# Altium PCB UAI.PcbDoc (part 2 of 2)
Units mm, origin at the board's own origin, x right, y up, seen from the top; angles counter-clockwise.
Board outline 85 x 82.2 mm, 2 copper layers (Top Layer, Bottom Layer); 136 components, 86 nets, 400 pads, 389 vias.
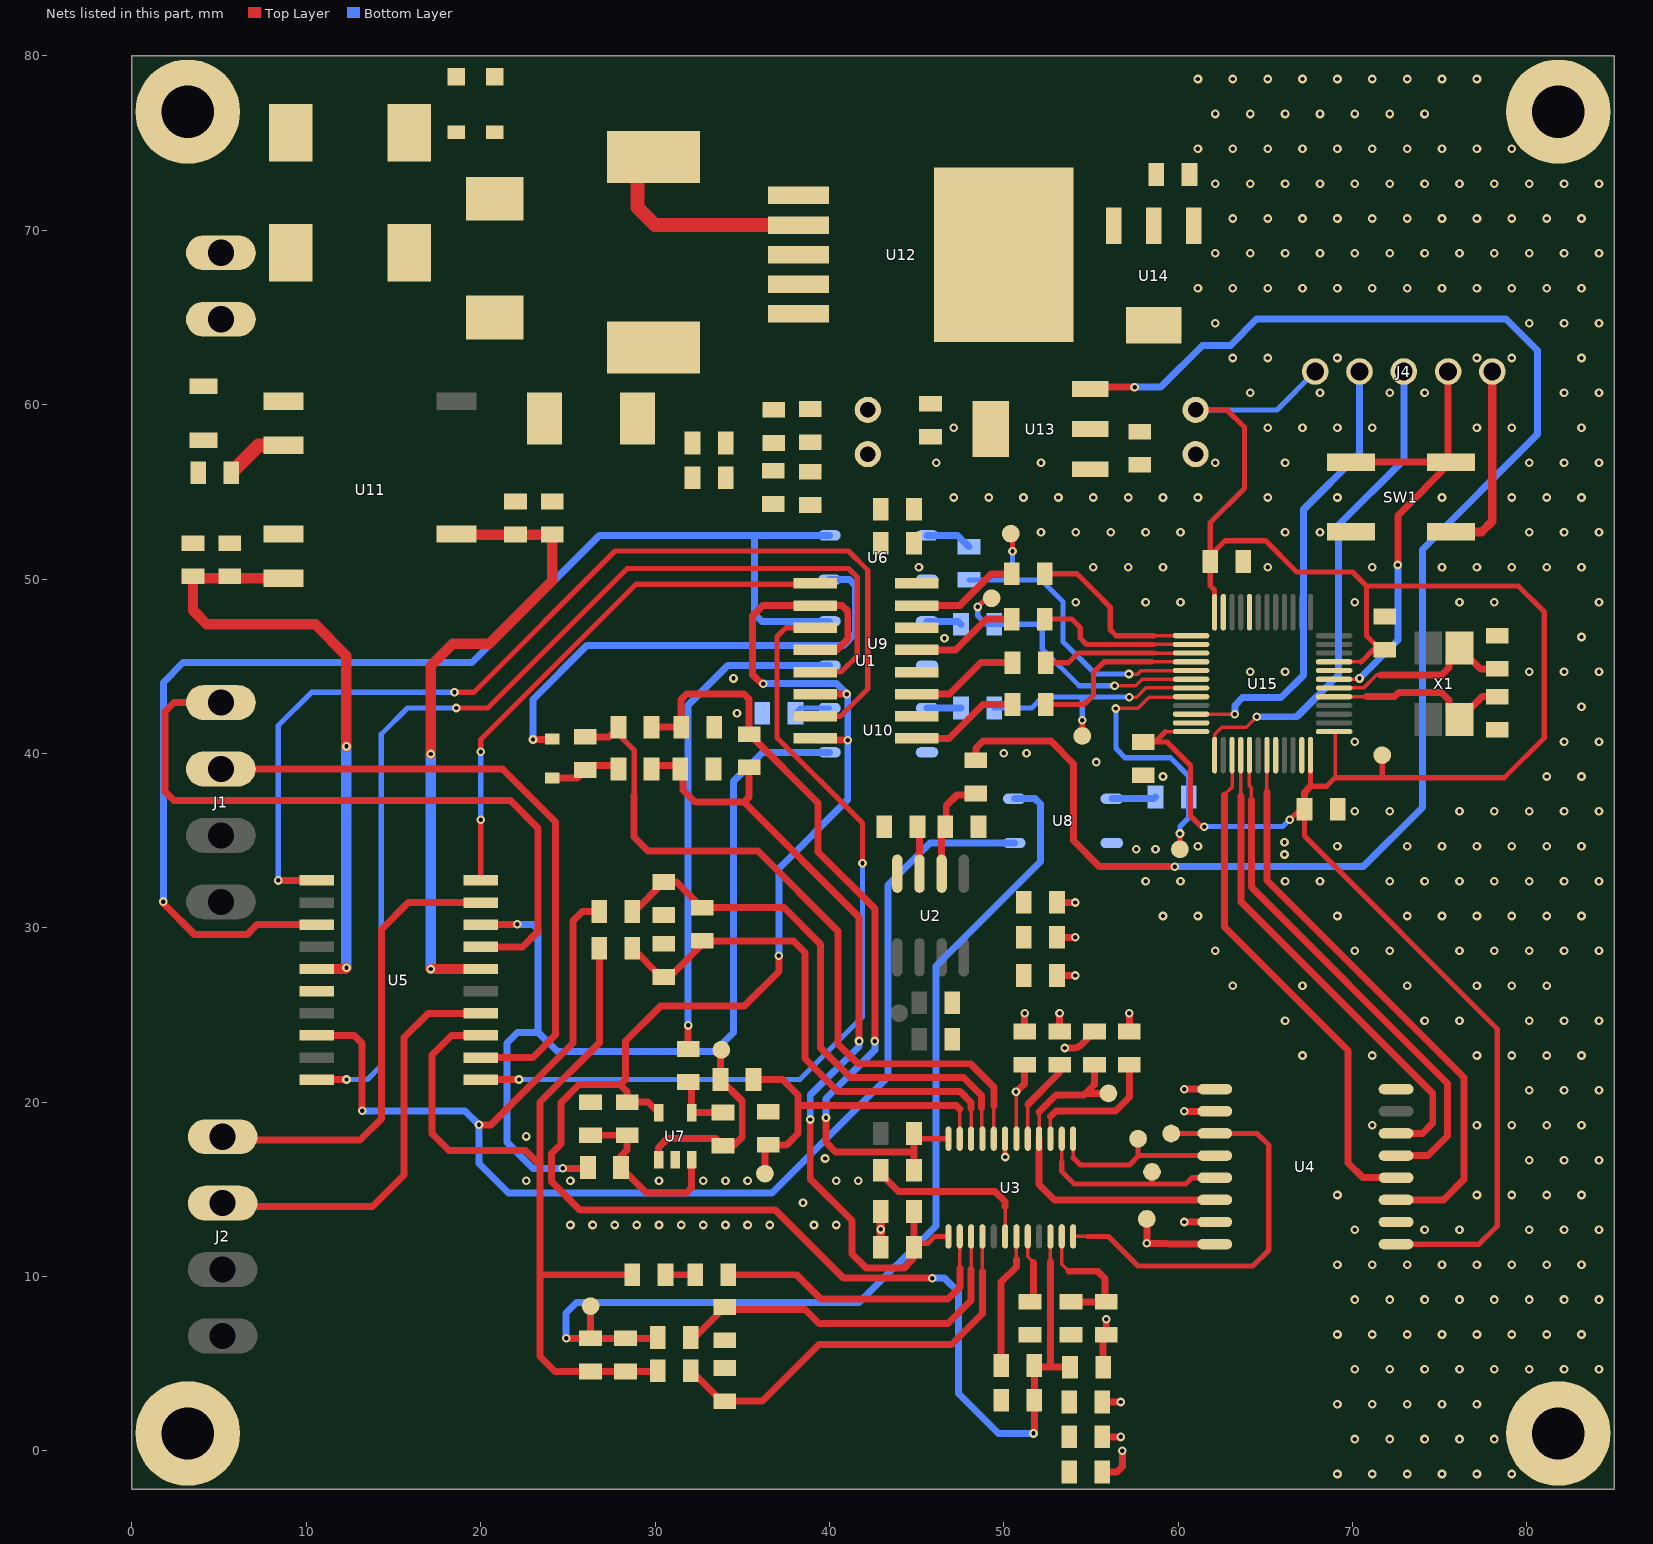
[diagram p2: the nets of this part, all layers, seen from the top]

## Via types
v1: diameter 0.5, hole 0.25, Top Layer to Bottom Layer, 313 vias
v2: diameter 0.5, hole 0.25, Top Layer to Bottom Layer, tented both sides, 76 vias

## Nets (pads, with @x,y where several pads share a name; then routed paths per layer and width w, separated by ;. In a path a pad name is that pad's centre, name@x,y a point inside that pad or via, vN(x,y) a via of type N, cw(c..) or ccw(c..) an arc to the next point about the centre after c; other vN are vias at no path point) (continued)
3A: J1.3 U5.12 | length 37.5
  Top Layer w0.4: J1.3@5.1,39.11 21.262,39.11 24.3,36.072 24.3,23.861 22.994,22.555 U5.12@20,22.555
3B: J2.3 U5.14 | length 24.2
  Top Layer w0.4: J2.3@5.2,14.205 5.395,14.01 13.79,14.01 15.6,15.82 15.6,23.7 16.995,25.095 U5.14@20,25.095 ; U5.14@20.047,25.047 U5.14@20.095,25.095
4A: J1.4 U5.17 | length 39.9
  Top Layer w0.4: J1.4@5.1,42.92 2.408,42.92 1.9,42.412 1.9,37.8 2.4,37.3 21.7,37.3 23.3,35.7 23.3,29.8 22.405,28.905 U5.17@20,28.905
4B: J2.4 U5.19 | length 26.9
  Top Layer w0.4: J2.4@5.2,18.015 5.395,17.82 13.075,17.82 14.3,19.045 14.3,29.9 15.845,31.445 U5.19@20,31.445
+3V3: C30.2 C31.2 C34.2 C35.2 C36.2 C37.2 J4.5 J_3V3.2 TP7.1 U4.1 U13.2 U13.4 U14.2 U14.4 U15.1 U15.9 U15.24 U15.36 U15.48 | length 130.1
  Top Layer w0.2: 59.275,41.25 U15.36@60.74,41.25 ; U15.1@68.94,41.25 69,41.19 69,38.6 ; U15.9@68.94,45.25 70.5,45.25
  Top Layer w0.3: C37.2@58,40.65 58.675,40.65 ; 59.275,41.25 58.675,40.65 ; J_3V3.2@61,59.7 62.8,59.7 63.8,58.7 63.8,55.2 61.84,53.24 C36.2@61.84,51.34 ; v2(61.5,35.8) 61.3,35.8 60.7,36.4 60.7,39.3 59.35,40.65 58.675,40.65 ; U15.24@62.09,48.1 62.09,49.365 61.84,49.615 C36.2@61.84,51 C36.2@61.84,51.34 ; v2(66.4,36.2) 67,36.8 67.24,36.8 67.24,35.26 78.3,24.2 78.3,12.9 77.255,11.855 U4.1@72.5,11.855 ; U15.48@67.59,39.9 67.59,38.115 68.515,38.115 69,38.6 71.6,38.6 ; 70.5,45.25 71.2,45.95 71.6,45.95 70.8,46.75 70.8,49.6 ; TP7.1@71.7,39.9 71.7,38.7 71.6,38.6 ; C36.2@61.84,51.34 62.7,52.2 65,52.2 66.8,50.4 70,50.4 70.8,49.6 ; 70.8,49.6 79.5,49.6 81,48.1 81,40.9 78.7,38.6 71.6,38.6
  Top Layer w0.4: C34.2@67.24,36.8 67.24,37.765 67.59,38.115
  Bottom Layer w0.3: J_3V3.2@61,59.7 65.66,59.7 J4.5@67.86,61.9 ; v2(61.5,35.8) 66,35.8 v2(66.4,36.2)
+3V3_ISO: C6.2 L2.2 R11.2 R12.2 TP6.1 U3.6 U4.16 | length 16
  Top Layer w0.2: v2(50.7,20.6) 50.7,17.925 U3.6@50.725,17.9 ; 50.725,19.3 v2@50.725,20.6
  Top Layer w0.4: v2@50.725,20.6 51.2,21.075 C6.2@51.2,22.15 ; v2(53.5,23.1) 54,23.1 ccw(c54,23.704) 54.27,23.164 ccw(c54,23.704) 54.427,23.277 R11.2@55.2,24.05 ; L2.2@55.7,4.8 55.7,6.228 cw(c56.297,6.228) R12.2@55.875,6.65 v2(55.875,7.54) ; TP6.1@58.2,13.3 v2(58.2,11.9) 59.4,11.9 59.45,11.85 62.095,11.85 U4.16@62.1,11.855
  Bottom Layer w0.4: v2(55.875,7.54) cw(c55.96,7.54) v2@55.9,7.6
+3V3AVDD: C10.2 C11.2 L2.1 R29.2 U1.10 U1.12 U1.14 U1.16 U3.22 U7.5 | length 115.5
  Top Layer w0.2: 52.675,10.85 U3.22@52.675,12.3
  Top Layer w0.4: U7.5@30.2,19.4 29.6,20 R29.2@28.4,20 28.4,20.6 28,21 ; v2(36.2,44) 36.1,44 35.6,44.5 35.6,47.9 36.175,48.475 U1.10@39.192,48.475 40.725,48.475 41.05,48.15 41.05,46.55 40.435,45.935 U1.12@39.192,45.935 ; v2(37.1,28.4) 37.1,27.5 35.1,25.5 30.3,25.5 28.3,23.5 28.3,21.3 28,21 ; U1.16@39.192,40.855 39.287,40.76 v2(41.05,40.76) ; U1.14@39.192,43.395 40.995,43.395 v2(41,43.4) ; v2(45.9,9.9) 40.8,9.9 36.9,13.8 25.7,13.8 24.05,15.45 24.05,17.05 24.6,17.6 24.6,19.966 25.634,21 28,21 ; v2(51.7,1) 51.75,1.05 C10.2@51.75,2.9 C11.2@51.75,4.9 51.85,4.8 52.825,4.8 ; 52.675,10.85 52.675,4.95 52.825,4.8 ; L2.1@53.8,4.8 52.825,4.8
  Bottom Layer w0.4: v2(36.2,44) 40.4,44 v2(41,43.4) 41.05,43.35 v2(41.05,40.76) 41.05,37.35 37.1,33.4 v2(37.1,28.4) ; v2(45.9,9.9) 46.6,9.9 47.4,9.1 47.4,3.3 49.7,1 v2(51.7,1)
+5V: C26.2 C27.2 C28.1 C29.2 J_5V.2 L1.2 L4.2 U12.4 U13.3 U14.3 | length 90.4
  Top Layer w0.4: L1.2@48.4,39.6 48.4,40.3 48.8,40.7 52.7,40.7 54,39.4 54,35 55.5,33.5 v2(59.8,33.5) ; U13.3@54.95,60.9 55.05,61 v2(57.5,61)
  Bottom Layer w0.4: v2(57.5,61) 59,61 61.4,63.4 63,63.4 64.5,64.9 78.8,64.9 80.6,63.1 80.6,58.3 74,51.7 74,36.9 70.6,33.5 v2(59.8,33.5)
+5VAVDD: C2.2 L1.1 U2.2 | length 6
  Top Layer w0.4: U2.2@46.435,33.1 46.435,35.585 C2.2@46.65,35.8 46.7,35.85 46.7,37 47.3,37.6 L1.1@48.4,37.6
+15V: C25.2 R40.2 U5.16 U11.7 | length 37.4
  Top Layer w0.6: v2(17.135,27.635) U5.16@20,27.635 ; v2(17.135,39.965) 17.135,45.035 18.4,46.3 20.5,46.3 24.1,49.9 R40.2@24.1,52.55 C25.2@22,52.55 18.64,52.55 U11.7@18.61,52.58
  Bottom Layer w0.6: v2(17.135,27.635) v2(17.135,39.965)
+24V: C21.1 C22.1 C23.1 D2.1 D3.1 L3.1 U12.1
-15V: C24.2 R39.2 U5.5 U11.5 | length 36.7
  Top Layer w0.6: C24.2@3.5,50.15 C24.2@3.5,50.04 ; U11.5@8.7,50.04 C24.2@3.5,50.04 ; U5.5@10.6,27.635 12.235,27.635 v2(12.3,27.7) ; v2(12.3,40.4) 12.3,45.6 10.5,47.4 4.3,47.4 3.5,48.2 C24.2@3.5,50.04
  Bottom Layer w0.6: v2(12.3,27.7) v2(12.3,40.4)
AGND: C1.1 C2.1 C3.1 C4.2 C7.2 C8.2 C9.1 C10.1 C11.1 C12.1 C14.2 C15.1 C17.2 C18.1 C20.2 C24.1 C25.1 C38.1 R5.1 R6.1 R7.1 R8.1 R10.2 R30.1 R31.1 R33.1 R34.1 R35.1 R36.1 R38.1 R39.1 R40.1 U2.4 U3.19 U5.6 U7.2 U11.4 | length 10.2
  Top Layer w0.2: 50.725,10.975 U3.19@50.725,12.3
  Top Layer w0.4: C11.1@49.85,4.5 49.85,9.675 50.725,10.55 50.725,10.975
  Top Layer w0.5: R10.2@42.95,11.675 v2(42.95,12.7) R30.1@42.95,13.725
  other v1: 25.146,12.954 26.416,12.954 27.686,12.954 28.956,12.954 30.226,12.954 31.496,12.954 32.766,12.954 34.036,12.954 35.306,12.954 36.576,12.954 39.116,12.954 40.386,12.954 38.481,14.224 22.606,15.494 25.146,15.494 30.226,15.494 32.766,15.494 34.036,15.494 35.306,15.494 40.386,15.494 41.656,15.494 39.751,16.764 22.606,18.034
  other v2: 34.7,42.3 34.5,44.3
AIN0/IEXC: R17.1 RREF.2 U3.8 | length 42.1
  Top Layer w0.2: U3.8@49.425,17.9 49.425,19.775
  Top Layer w0.3: R17.1@27.9,41.5 27.9,41.084 28.8,40.184 28.8,37.6
  Top Layer w0.4: RREF.2@26,40.95 27.35,40.95 R17.1@27.9,41.5 ; 28.8,37.6 28.8,35.2 29.6,34.4 35.9,34.4 40.5,29.8 40.5,23.332 41.632,22.2 48.1,22.2 49.425,20.875 49.425,19.775
AIN1: C12.2 C13.2 R15.2 U3.9 | length 31.7
  Top Layer w0.2: U3.9@48.725,17.95 48.725,19.65
  Top Layer w0.4: R15.2@28.7,30.928 ccw(c28.7,31.169) 28.871,30.999 C12.2@30.5,32.628 31.222,32.628 C13.2@32.7,31.15 37.399,31.15 39.5,29.049 39.5,23.1 41.2,21.4 47.7,21.4 48.725,20.375 48.725,19.65
AIN2: C13.1 C14.1 R18.2 U3.10 | length 30.7
  Top Layer w0.2: U3.10@48.125,17.9 48.125,19.625
  Top Layer w0.4: R18.2@28.7,28.828 30.35,27.178 C14.1@30.5,27.178 30.828,27.178 C13.1@32.9,29.25 ; C13.1@32.7,29.25 C13.1@32.9,29.25 ; 48.125,19.625 48.125,19.975 47.5,20.6 40.5,20.6 38.608,22.492 38.608,28.592 37.95,29.25 C13.1@32.9,29.25
AIN3: C38.2 R43.2 TP14.1 U3.11 | length 20
  Top Layer w0.2: U3.11@47.475,17.9 47.475,19.6
  Top Layer w0.4: R43.2@35.65,21.3 37.3,21.3 38.2,20.4 38.2,19.8 ; TP14.1@36.3,15.9 36.3,17.55 C38.2@36.5,17.55 37.55,17.55 38.2,18.2 38.2,19.8 ; 47.475,19.6 47.275,19.8 38.2,19.8
AIN4: R22.2 U3.14 | length 17.1
  Top Layer w0.2: 47.475,10.5 U3.14@47.475,12.3
  Top Layer w0.4: R22.2@34.2,10.1 38.1,10.1 39.5,8.7 46.8,8.7 47.475,9.375 47.475,10.5
AIN5: C18.2 R26.2 U3.15 | length 21.4
  Top Layer w0.2: 48.125,10.4 U3.15@48.125,12.3
  Top Layer w0.4: R26.2@32.05,6.5 32.25,6.5 C18.2@34,8.25 34.15,8.1 38.6,8.1 39.4,7.3 46.8,7.3 48.125,8.625 48.125,10.4
AIN6: C20.1 R32.2 U3.16 | length 23.8
  Top Layer w0.2: 48.775,10.275 U3.16@48.775,12.3
  Top Layer w0.4: R32.2@32.05,4.6 C20.1@33.8,2.85 ; C20.1@34,2.85 36.15,2.85 39.4,6.1 47,6.1 48.775,7.875 48.775,10.275
AN0/3: U5.3 U6.4 U9.4 | length 73.1
  Top Layer w0.4: v2(1.8,31.5) 1.8,31.4 3.6,29.6 6.6,29.6 7.175,30.175 U5.3@10.6,30.175
  Bottom Layer w0.4: v2(1.8,31.5) 1.8,44.074 2.926,45.2 19.5,45.2 26.8,52.5 35.7,52.5 ; U9.4@40,47.57 36.13,47.57 35.7,48 35.7,52.5 ; U6.4@40,52.5 35.7,52.5
AN1/5: R15.1 U5.8 U8.3 | length 78.1
  Top Layer w0.4: U5.8@10.6,23.825 12.75,23.825 13.2,23.375 v2(13.2,19.5) ; v2(19.9,18.7) 20.6,18.7 25.3,23.4 25.3,30.4 25.828,30.928 R15.1@26.8,30.928
  Bottom Layer w0.4: v2(13.2,19.5) 19.1,19.5 v2(19.9,18.7) 19.9,16.488 21.588,14.8 36.7,14.8 43.35,21.45 43.35,32.45 45.76,34.86 U8.3@50.6,34.86
AN2/6: C19.1 R18.1 R21.1 R32.1 RI.2 U5.13 | length 52.1
  Top Layer w0.4: U5.13@20,23.825 18.325,23.825 17.2,22.7 17.2,18.2 18.176,17.224 22.576,17.224 23.4,16.4 ; R18.1@26.7,28.728 R18.1@26.8,28.828 26.8,23.4 23.4,20 23.4,16.4 ; R21.1@28.7,10.1 23.4,10.1 ; R32.1@30.15,4.6 30.1,4.55 C19.1@28.3,4.55 RI.2@26.3,4.55 24.25,4.55 23.4,5.4 23.4,10.1 ; 23.4,10.1 23.4,16.4
AN3: R25.1 U5.18 U10.3 | length 55.1
  Top Layer w0.4: U5.18@20,30.175 21.925,30.175 21.95,30.2 v2(22.1,30.2) ; v2(24.7,16.2) 26.1,16.2 R25.1@26.15,16.25
  Bottom Layer w0.4: v2(22.1,30.2) 23,30.2 23.3,29.9 23.3,24 ; v2(24.7,16.2) 23,16.2 21.5,17.7 21.5,23.4 22.1,24 23.3,24 ; U10.3@40,40.06 36.16,40.06 34.5,38.4 34.5,24 33.4,22.9 24.4,22.9 23.3,24
CS_ISO: R11.1 TP2.1 U3.4 U4.14 | length 20.9
  Top Layer w0.2: U3.4@52.025,17.9 52.025,19.425
  Top Layer w0.4: U3.4@52.025,17.9 52.025,15.275 52.905,14.395 U4.14@62.1,14.395 ; 52.025,19.425 53,20.4 54.6,20.4 54.7,20.5 ; R11.1@55.2,22.15 55.2,21 54.7,20.5 ; TP2.1@56,20.5 54.7,20.5
DIN: TP4.1 U3.1 U4.12 | length 10.6
  Top Layer w0.2: 53.975,16.825 U3.1@53.975,17.9
  Top Layer w0.3: 53.975,16.825 54.4,16.4 57.2,16.4 57.735,16.935 ; TP4.1@57.7,17.9 57.7,16.97 57.735,16.935 ; U4.12@62.1,16.935 57.735,16.935
GND: C26.1 C27.1 C29.1 C30.1 C31.1 C32.2 C33.2 C34.1 C35.1 C36.1 C37.1 J4.1 J_3V3.1 J_5V.1 pad.2 R5.2 R6.2 R7.2 R8.2 R41.2 R42.2 SW1.1 SW1.2 U1.2 U1.4 U1.6 U1.8 U4.2 U4.8 U6.2 U8.2 U9.2 U10.2 U13.1 U14.1 U15.8 U15.20 U15.23 U15.35 U15.44 U15.47 | length 11.2
  Top Layer w0.5: SW1.1@75.65,52.7 77.4,52.7 78.02,53.32 J4.1@78.02,61.9
  other v1: 69.131,-1.326 71.131,-1.326 73.131,-1.326 75.131,-1.326 77.131,-1.326 79.131,-1.326 70.131,0.674 72.131,0.674 74.131,0.674 76.131,0.674 78.131,0.674 69.131,2.674 71.131,2.674 73.131,2.674 75.131,2.674 77.131,2.674 70.131,4.674 72.131,4.674 74.131,4.674 76.131,4.674 78.131,4.674 80.131,4.674 82.131,4.674 84.131,4.674 69.131,6.674 71.131,6.674 73.131,6.674 75.131,6.674 77.131,6.674 79.131,6.674 81.131,6.674 83.131,6.674 70.131,8.674 72.131,8.674 74.131,8.674 76.131,8.674 78.131,8.674 80.131,8.674 82.131,8.674 84.131,8.674 69.131,10.674 71.131,10.674 73.131,10.674 75.131,10.674 77.131,10.674 79.131,10.674 81.131,10.674 83.131,10.674 70.131,12.674 74.131,12.674 76.131,12.674 80.131,12.674 82.131,12.674 84.131,12.674 69.131,14.674 77.131,14.674 79.131,14.674 81.131,14.674 83.131,14.674 80.131,16.674 82.131,16.674 84.131,16.674 71.131,18.674 77.131,18.674 79.131,18.674 81.131,18.674 83.131,18.674 80.131,20.674 82.131,20.674 84.131,20.674 67.131,22.674 71.131,22.674 77.131,22.674 79.131,22.674 81.131,22.674 83.131,22.674 66.131,24.674 74.131,24.674 76.131,24.674 80.131,24.674 82.131,24.674 84.131,24.674 63.131,26.674 67.131,26.674 73.131,26.674 77.131,26.674 79.131,26.674 81.131,26.674 62.131,28.674 70.131,28.674 72.131,28.674 76.131,28.674 78.131,28.674 80.131,28.674 82.131,28.674 84.131,28.674 59.131,30.674 61.131,30.674 69.131,30.674 73.131,30.674 75.131,30.674 77.131,30.674 79.131,30.674 81.131,30.674 83.131,30.674 58.131,32.674 60.131,32.674 66.131,32.674 68.131,32.674 72.131,32.674 74.131,32.674 76.131,32.674 78.131,32.674 80.131,32.674 82.131,32.674 84.131,32.674 61.131,34.674 69.131,34.674 73.131,34.674 75.131,34.674 77.131,34.674 79.131,34.674 81.131,34.674 83.131,34.674 70.131,36.674 72.131,36.674 76.131,36.674 78.131,36.674 80.131,36.674 82.131,36.674 84.131,36.674 59.131,38.674 81.131,38.674 83.131,38.674 70.131,40.674 82.131,40.674 84.131,40.674 83.131,42.674 64.131,44.674 66.131,44.674 80.131,44.674 82.131,44.674 84.131,44.674 83.131,46.674 54.131,48.674 58.131,48.674 60.131,48.674 70.131,48.674 76.131,48.674 78.131,48.674 84.131,48.674 45.131,50.674 55.131,50.674 57.131,50.674 59.131,50.674 65.131,50.674 71.131,50.674 75.131,50.674 77.131,50.674 79.131,50.674 81.131,50.674 83.131,50.674 52.131,52.674 54.131,52.674 56.131,52.674 58.131,52.674 60.131,52.674 66.131,52.674 68.131,52.674 80.131,52.674 82.131,52.674 84.131,52.674 47.131,54.674 49.131,54.674 51.131,54.674 53.131,54.674 55.131,54.674 57.131,54.674 59.131,54.674 61.131,54.674 65.131,54.674 69.131,54.674 75.131,54.674 79.131,54.674 81.131,54.674 83.131,54.674 46.131,56.674 52.131,56.674 62.131,56.674 66.131,56.674 80.131,56.674 82.131,56.674 84.131,56.674 47.131,58.674 65.131,58.674 67.131,58.674 69.131,58.674 71.131,58.674 77.131,58.674 79.131,58.674 83.131,58.674 64.131,60.674 68.131,60.674 72.131,60.674 74.131,60.674 82.131,60.674 84.131,60.674 63.131,62.674 65.131,62.674 69.131,62.674 77.131,62.674 79.131,62.674 83.131,62.674 62.131,64.674 80.131,64.674 82.131,64.674 84.131,64.674 61.131,66.674 63.131,66.674 65.131,66.674 67.131,66.674 69.131,66.674 71.131,66.674 73.131,66.674 75.131,66.674 77.131,66.674 79.131,66.674 81.131,66.674 83.131,66.674 62.131,68.674 64.131,68.674 66.131,68.674 68.131,68.674 70.131,68.674 72.131,68.674 74.131,68.674 76.131,68.674 78.131,68.674 80.131,68.674 82.131,68.674 84.131,68.674 63.131,70.674 65.131,70.674 67.131,70.674 69.131,70.674 71.131,70.674 73.131,70.674 75.131,70.674 77.131,70.674 79.131,70.674 81.131,70.674 83.131,70.674 62.131,72.674 64.131,72.674 66.131,72.674 68.131,72.674 70.131,72.674 72.131,72.674 74.131,72.674 76.131,72.674 78.131,72.674 80.131,72.674 82.131,72.674 84.131,72.674 61.131,74.674 63.131,74.674 65.131,74.674 67.131,74.674 69.131,74.674 71.131,74.674 73.131,74.674 75.131,74.674 77.131,74.674 79.131,74.674 62.131,76.674 64.131,76.674 66.131,76.674 68.131,76.674 70.131,76.674 72.131,76.674 74.131,76.674 61.131,78.674 63.131,78.674 65.131,78.674 67.131,78.674 69.131,78.674 71.131,78.674 73.131,78.674 75.131,78.674 77.131,78.674
  other v2: 66.1,34.2 57.6,34.5 58.7,34.5 66.1,34.9 55.3,39.5 50,40 51.3,40 46.6,46.6
GND_ISO: C5.2 C6.1 C7.1 C8.1 R14.1 R33.2 R34.2 R35.2 R36.2 U3.7 U4.9 U4.10 U4.15 | length 16.9
  Top Layer w0.3: v2(50.075,16.85) U3.7@50.075,17.9
  Top Layer w0.4: C6.1@51.2,24.05 v2(51.2,25.1) ; R34.2@53.05,27.265 v2(54.1,27.265) ; R35.2@53.05,29.449 v2(54.1,29.449) ; R36.2@53.05,31.449 v2(54.1,31.449) ; C5.2@53.2,24.05 v2(53.2,25.1) ; R33.2@55.65,-1.216 56.484,-1.216 56.8,-0.9 v2(56.8,0) ; C7.1@55.65,0.8 v2(56.7,0.8) ; C8.1@55.65,2.8 v2(56.7,2.8) ; R14.1@57.2,24.05 v2(57.2,25.1) ; v2(60.355,13.125) U4.15@62.1,13.125 ; v2(60.355,19.475) U4.10@62.1,19.475 ; v2(60.355,20.745) U4.9@62.1,20.745
IEXC: D1.2 R20.1 RREF.1 | length 4.1
  Top Layer w0.4: D1.2@24.1,38.6 25.55,38.6 RREF.1@26,39.05 26.25,39.3 R20.1@27.9,39.3
IN1_ISO: U1.15 U5.1 | length 60
  Top Layer w0.3: v2(18.5,43.5) 19.6,43.5 27.7,51.6 41.1,51.6 42.2,50.5 42.2,43.7 40.625,42.125 U1.15@39.192,42.125
  Top Layer w0.4: v2(8.385,32.715) U5.1@10.6,32.715
  Bottom Layer w0.3: v2(8.385,32.715) 8.385,41.585 10.3,43.5 v2(18.5,43.5)
IN2_ISO: U1.13 U5.10 | length 61.8
  Top Layer w0.3: v2(18.6,42.6) 20.407,42.6 28.407,50.6 41.1,50.6 41.6,50.1 41.6,45.6 40.665,44.665 U1.13@39.192,44.665
  Top Layer w0.4: U5.10@10.6,21.3 v2(12.3,21.3)
  Bottom Layer w0.3: v2(12.3,21.3) 13.5,21.3 14.3,22.1 14.3,41.1 15.8,42.6 v2(18.6,42.6)
IN3_ISO: U1.11 U5.11 | length 49.6
  Top Layer w0.3: U1.11@39.192,47.205 37.505,47.205 37,46.7 37,40.9 41.9,36 v2(41.9,33.7)
  Top Layer w0.4: U5.11@20,21.285 20.015,21.3 v2(22.2,21.3)
  Bottom Layer w0.3: v2(22.2,21.3) 38.3,21.3 41.9,24.9 v2(41.9,33.7)
IN4_ISO: U1.9 U5.20 | length 31.7
  Top Layer w0.3: U5.20@20,32.715 v2(20,36.2) ; v2(20,40.1) 20,40.8 28.9,49.7 U1.9@39.937,49.7
  Bottom Layer w0.3: v2(20,36.2) v2(20,40.1)
NetC1_2: C1.2 U2.3 | length 2.7
  Top Layer w0.4: C1.2@45.05,35.8 45.165,35.685 U2.3@45.165,33.1
NetC5_1: C5.1 U3.5 | length 5
  Top Layer w0.2: U3.5@51.375,17.9 51.375,19.875
  Top Layer w0.4: 51.375,19.875 53.2,21.7 C5.1@53.2,22.15
NetC9_2: C9.2 U3.20 | length 3.9
  Top Layer w0.2: U3.20@51.375,12.3 51.375,11.125 51.7,10.8
  Top Layer w0.4: C9.2@51.7,8.55 51.7,10.8
NetC19_2: C19.2 R26.1 RI.1 TP10.1 U8.4 | length 60.2
  Top Layer w0.4: v2(24.9,6.45) RI.1@26.3,6.45 ; TP10.1@26.3,8.3 26.3,7.3 RI.1@26.3,6.45 ; R26.1@30.15,6.5 30.1,6.45 C19.2@28.3,6.45 RI.1@26.3,6.45
  Bottom Layer w0.4: v2(24.9,6.45) 24.9,7.9 25.5,8.5 41.7,8.5 46.1,12.9 46.1,27.8 52.1,33.8 52.1,37.1 51.8,37.4 U8.4@50.6,37.4
NetC32_1: C32.1 U15.5 X1.2 | length 10.9
  Top Layer w0.2: U15.5@68.94,43.25 70.8,43.25
  Top Layer w0.4: 70.8,43.25 72.4,43.25 72.65,43.5 75.106,43.5 75.54,43.066 75.54,42.55 X1.2@76.14,41.95 77.44,43.25 C32.1@78.3,43.25
NetC33_1: C33.1 U15.6 X1.1 | length 11.1
  Top Layer w0.2: U15.6@68.94,43.75 70.45,43.75 70.628,43.75 71.378,44.5 71.6,44.5
  Top Layer w0.4: 71.6,44.5 75.106,44.5 75.54,44.934 75.54,45.45 X1.1@76.14,46.05 77.34,44.85 C33.1@78.3,44.85
NetD1_1: D1.1 U6.3 | length 27.8
  Top Layer w0.4: v2(23,40.8) 24.075,40.8 D1.1@24.1,40.825
  Bottom Layer w0.4: v2(23,40.8) 23,43.1 26.1,46.2 40.8,46.2 41.5,46.9 41.5,49.6 41.14,49.96 U6.3@40,49.96
NetD2_2: D2.2 J3.2
NetD4_1: D4.1 L4.1 U12.2 | length 11.6
  Top Layer w0.8: L4.1@29,74.198 29,71.3 30,70.3 U12.2@37.334,70.3
NetL3_2: L3.2 U11.2 | length 3.6
  Top Layer w0.8: L3.2@5.7,56.1 7.26,57.66 U11.2@8.7,57.66
NetR1_1: R1.1 U1.1 | length 6.3
  Top Layer w0.4: U1.1@45.008,40.855 46.855,40.855 48.8,42.8 R1.1@50.5,42.8
NetR1_2: R1.2 U15.28 | length 10.6
  Top Layer w0.2: 58.5,45.25 U15.28@60.74,45.25 U15.28@61.25,45.25
  Top Layer w0.3: R1.2@52.4,42.8 54.6,42.8 55.137,43.337 55.137,44.637 55.75,45.25 58.5,45.25
NetR2_1: R2.1 U1.3 | length 6.2
  Top Layer w0.4: U1.3@45.008,43.395 46.895,43.395 48.7,45.2 R2.1@50.5,45.2
NetR2_2: R2.2 U15.27 | length 8.6
  Top Layer w0.2: 58.636,45.75 U15.27@60.74,45.75
  Top Layer w0.3: R2.2@52.4,45.2 53.707,45.2 54.257,45.75 58.636,45.75
NetR3_1: R3.1 U1.5 | length 6.2
  Top Layer w0.4: U1.5@45.008,45.935 47.235,45.935 49,47.7 R3.1@50.45,47.7
NetR3_2: R3.2 U15.26 | length 9.2
  Top Layer w0.2: 58.6,46.25 U15.26@60.567,46.25
  Top Layer w0.3: R3.2@52.35,47.7 53.9,47.7 54.388,47.212 54.388,46.612 54.75,46.25 58.6,46.25
NetR4_1: R4.1 U1.7 | length 6.2
  Top Layer w0.4: U1.7@45.008,48.475 47.475,48.475 49.3,50.3 R4.1@50.45,50.3
NetR4_2: R4.2 U15.25 | length 10.6
  Top Layer w0.2: 58.6,46.75 U15.25@60.74,46.75
  Top Layer w0.3: R4.2@52.35,50.3 54.2,50.3 55.088,49.412 56.1,48.4 56.1,47.1 56.45,46.75 58.6,46.75
NetR12_1: R12.1 R13.1 U3.23 | length 7.7
  Top Layer w0.2: U3.23@53.325,12.3 53.325,10.7 53.725,10.3
  Top Layer w0.4: 53.725,10.3 55.375,10.3 55.8,9.875 55.8,8.55 R13.1@53.85,8.55
NetR14_2: R14.2 U3.3 | length 8.1
  Top Layer w0.2: U3.3@52.675,17.9 52.675,19.175
  Top Layer w0.4: 52.675,19.175 53,19.5 56.4,19.5 57.2,20.3 R14.2@57.2,22.15
NetR16_1: R16.1 TP8.1 U15.29 | length 19.1
  Top Layer w0.2: v2(57.175,44.55) 57.675,44.55 57.875,44.75 U15.29@60.74,44.75
  Top Layer w0.3: TP8.1@50.4,52.6 50.5,52.5 v2(50.5,51.6)
  Bottom Layer w0.3: R16.1@48,49.95 50.5,49.95 ; v2(50.5,51.6) 50.5,49.95 ; v2(57.175,44.55) 55.25,44.55 53.4,46.4 53.4,48.693 52.143,49.95 50.5,49.95
NetR16_2: R16.2 U6.1 | length 2.7
  Bottom Layer w0.4: U6.1@45.6,52.5 47.35,52.5 R16.2@48,51.85
NetR19_1: R19.1 U3.18 | length 10
  Top Layer w0.2: U3.18@50.075,12.3 50.075,14.025
  Top Layer w0.4: R19.1@42.95,16.1 42.95,15.875 43.95,14.875 49.5,14.875 50.075,14.3 50.075,14.025
NetR21_2: R21.2 R22.1 | length 1.7
  Top Layer w0.4: R21.2@30.6,10.1 R22.1@32.3,10.1
NetR23_1: R23.1 R24.2 U7.4 | length 3.6
  Top Layer w0.4: R24.2@31.9,21.15 32.1,20.95 U7.4@32.1,19.4 R23.1@33.9,19.4
NetR23_2: R23.2 R43.1 TP9.1 U7.1 | length 11.6
  Top Layer w0.4: U7.1@30.2,16.7 30.2,17.4 30.7,17.9 33.5,17.9 R23.2@33.9,17.5 34.5,17.5 35,18 35,20.05 R43.1@33.75,21.3 33.75,22.95 TP9.1@33.8,23
NetR24_1: R24.1 U9.3 | length 28.8
  Top Layer w0.4: R24.1@31.9,23.05 v2(31.9,24.4)
  Bottom Layer w0.4: v2(31.9,24.4) 31.9,42.76 34.17,45.03 U9.3@40,45.03
NetR25_2: R25.2 R29.1 R31.2 U7.3 | length 10.5
  Top Layer w0.4: R31.2@26.3,18.1 R29.1@28.4,18.1 28.4,17.25 28.05,16.9 R25.2@28.05,16.25 29.5,14.8 31.8,14.8 32.1,15.1 U7.3@32.1,16.7
NetR27_1: R27.1 TP12.1 U15.32 | length 16.1
  Top Layer w0.2: v2(56.428,42.577) 57.677,42.577 58.325,43.225 60.715,43.225 U15.32@60.74,43.25
  Top Layer w0.3: TP12.1@60.1,34.5 v2(60.1,35.4)
  Bottom Layer w0.3: v2(56.428,42.577) 56.428,40.272 56.95,39.75 59.55,39.75 60.6,38.7 R27.1@60.6,37.5 60.6,36.3 60.1,35.8 v2(60.1,35.4)
NetR27_2: R27.2 U8.1 | length 2.5
  Bottom Layer w0.4: U8.1@56.2,37.4 58.6,37.4 R27.2@58.7,37.5
NetR28_1: R28.1 TP11.1 U15.30 | length 16.2
  Top Layer w0.2: v2(56.353,43.877) 57.568,43.877 57.941,44.25 U15.30@60.74,44.25
  Top Layer w0.3: v2(48.5,48.4) 49,48.9 TP11.1@49.3,48.9
  Bottom Layer w0.3: v2(48.5,48.4) 48.5,47.9 49,47.4 R28.1@49.45,47.4 51.9,47.4 52.2,47.1 52.2,46 54.323,43.877 v2(56.353,43.877)
NetR28_2: R28.2 U9.1 | length 2
  Bottom Layer w0.4: U9.1@45.6,47.57 47.38,47.57 R28.2@47.55,47.4
NetR37_1: R37.1 TP13.1 U15.31 | length 14
  Top Layer w0.2: v2(57.2,43.227) 57.627,43.227 58.15,43.75 U15.31@60.74,43.75
  Top Layer w0.3: TP13.1@54.5,41 v2(54.5,41.9)
  Bottom Layer w0.3: R37.1@49.45,42.6 51.6,42.6 52.227,43.227 54.5,43.227 ; v2(54.5,41.9) 54.5,43.227 ; v2(57.2,43.227) 54.5,43.227
NetR37_2: R37.2 U10.1 | length 2
  Bottom Layer w0.4: U10.1@45.6,42.6 R37.2@47.55,42.6
NetR38_2: R38.2 U10.4 | length 2.1
  Bottom Layer w0.3: R38.2@38.05,42.3 38.35,42.6 U10.4@40,42.6
NetU4_3: U4.3 U15.43 | length 33.4
  Top Layer w0.2: 65.09,37.785 U15.43@65.09,39.9
  Top Layer w0.4: 65.09,37.785 65.09,32.71 76.4,21.4 76.4,15.575 75.22,14.395 U4.3@72.5,14.395
NRST: J4.2 SW1.3 SW1.4 U15.7 | length 26.9
  Top Layer w0.2: U15.7@68.94,44.25 70.35,44.25 v2(70.4,44.3)
  Top Layer w0.4: SW1.4@69.9,56.7 SW1.3@75.48,56.7 ; v2(72.6,50.8) 72.6,53.65 SW1.3@75.65,56.7 75.48,56.87 J4.2@75.48,61.9
  Bottom Layer w0.4: v2(70.4,44.3) 72.6,46.5 v2(72.6,50.8)
PGND: C21.2 C22.2 C23.2 C28.2 D3.2 D4.2 J3.1 R41.1 R42.1 U11.1 U12.3 U12.5 U12.6
RDY: TP5.1 U3.24 U4.11 | length 24.2
  Top Layer w0.2: U3.24@53.975,12.3 54.8,12.3
  Top Layer w0.3: 54.8,12.3 56,12.3 57.7,10.6 64.275,10.6 65.2,11.525 65.2,17.525 64.52,18.205 U4.11@62.1,18.205 62.095,18.2 TP5.1@59.6,18.2
REF+: C15.2 C16.2 R9.1 R17.2 R19.2 U3.12 | length 46.3
  Top Layer w0.3: R9.1@44.85,17.9 44.9,17.95 44.95,17.9 U3.12@46.825,17.9
  Top Layer w0.4: R17.2@29.8,41.5 C15.2@31.5,41.5 31.5,43.1 31.8,43.4 35.1,43.4 35.4,43.1 C16.2@35.4,41.1 39.35,37.15 39.35,34.35 42.6,31.1 v2(42.6,23.5) ; v2(39.8,19.1) 39.8,17.7 40.35,17.15 44.8,17.15 44.85,17.1 ; R19.2@44.85,15.9 44.85,17.1 ; R9.1@44.85,17.9 44.85,17.1
  Bottom Layer w0.4: v2(39.8,19.1) 39.8,20.2 42.6,23 v2(42.6,23.5)
REF-: C16.1 C17.1 R10.1 R20.2 R30.2 U3.13 | length 49
  Top Layer w0.3: R10.1@44.85,11.9 45.637,11.9 46.037,12.3 U3.13@46.825,12.3
  Top Layer w0.4: R20.2@29.8,39.3 31.6,39.3 31.6,37.9 32.3,37.2 35.1,37.2 ; C16.1@35.4,39.2 35.4,37.5 35.1,37.2 ; v2(38.9,19) 38.9,15.6 41.3,13.2 41.3,11.3 42.1,10.5 44.3,10.5 44.8,11 44.8,11.85 44.85,11.9 R30.2@44.85,13.9 ; v2(41.7,23.5) 41.7,30.6 35.1,37.2
  Bottom Layer w0.4: v2(38.9,19) 38.9,20.4 41.7,23.2 v2(41.7,23.5)
SCLK: TP3.1 U3.2 U4.13 | length 11.8
  Top Layer w0.2: 53.325,16.55 U3.2@53.325,17.9
  Top Layer w0.3: 53.325,16.55 53.325,16.018 54.043,15.3 58.5,15.3 ; TP3.1@58.5,16 58.5,15.3 ; U4.13@62.1,15.665 60.8,15.665 60.435,15.3 58.5,15.3
SNYC: R13.2
SPI1_MISO: U4.6 U15.40 | length 28
  Top Layer w0.2: 63.59,37.565 U15.40@63.59,39.9
  Top Layer w0.4: 63.59,37.565 63.59,31.51 74.6,20.5 74.6,18.8 74.005,18.205 U4.6@72.5,18.205
SPI1_MOSI: U4.5 U15.41 | length 30
  Top Layer w0.2: U15.41@64.09,39.9 64.09,38.135 64.2,38.025 64.2,37.325
  Top Layer w0.4: 64.2,37.325 64.2,32.324 75.45,21.074 75.45,18.05 74.335,16.935 U4.5@72.5,16.935
SPI1_SCK: U4.4 U15.39 | length 29.6
  Top Layer w0.2: 62.65,37.625 63.09,38.065 U15.39@63.09,39.9
  Top Layer w0.4: 62.65,37.625 62.65,30.05 69.75,22.95 69.75,16.5 70.585,15.665 U4.4@72.5,15.665
SWCLK: J4.3 U15.37 | length 28.7
  Top Layer w0.2: U15.37@62.09,39.9 62.09,41.09 62.5,41.5 63.9,41.5 v2(64.5,42.1)
  Bottom Layer w0.4: v2(64.5,42.1) 66.8,42.1 69.2,44.5 69.2,53.1 72.94,56.84 J4.3@72.94,61.9
SWDIO: J4.4 U15.34 | length 26.4
  Top Layer w0.2: U15.34@60.74,42.25 v2(63.25,42.25)
  Bottom Layer w0.4: v2(63.25,42.25) 63.25,42.75 63.7,43.2 65.9,43.2 67.2,44.5 67.2,54 70.4,57.2 J4.4@70.4,61.9
pads on no net: U2.1 U2.5 U2.7 U2.8 U3.17 U3.21 U4.7 U5.15 U11.10 U15.2 U15.3 U15.4 U15.10 U15.11 U15.12 U15.13 U15.14 U15.15 U15.16 U15.17 U15.18 U15.19 U15.21 U15.22 U15.33 U15.38 U15.42 U15.45 U15.46 X1.3 X1.4

## Polygon pours and split planes (outlines as drawn)
AGND on Top Layer "AGND_L01_P036" (solid, pour order 36): 1.704,4.024 7.124,-1.396 ccw(c8.824,0.304) 8.824,-2.1 53.9,-2.1 ccw(c53.9,-1.6) 54.4,-1.6 54.4,3.4 ccw(c54,3.4) 54,3.8 53,3.8 cw(c53,4) 52.8,4 52.8,11.944 ccw(c51.277,11.944) 52.354,13.021 49.759,15.616 cw(c50.626,16.483) 49.4,16.483 49.4,24.459 cw(c50.224,24.459) 49.641,25.041 51.688,27.088 ccw(c50.693,28.083) 52.1,28.083 52.1,30 52.1,38.1 ccw(c51.7,38.1) 51.7,38.5 42.2,38.5 cw(c42.2,38.9) 41.8,38.9 41.8,51 cw(c42.2,51) 42.2,51.4 43.3,51.4 ccw(c43.3,51.6) 43.5,51.6 43.5,54.7 ccw(c43.2,54.7) 43.2,55 36.483,55 ccw(c36.483,53.835) 35.659,54.659 35.5,54.5 34.812,53.812 cw(c34.059,54.566) 34.059,53.5 31.441,53.5 cw(c31.441,54.566) 30.688,53.812 30.5,54 29.483,55.017 ccw(c28.317,53.852) 28.317,55.5 28,55.5 12.041,55.5 ccw(c12.041,54.483) 11.322,55.202 9.446,53.326 cw(c8.659,54.114) 8.659,53 1.2,53 ccw(c1.2,52.6) 0.8,52.6 0.8,6.207 ccw(c3.888,6.207)
GND on Top Layer "Top Layer-GND" (solid, pour order 77): 59.9,59.298 cw(c59.577,59.298) 59.57,58.975 33.775,58.975 ccw(c33.775,58.7) 33.5,58.7 33.5,55.1 ccw(c33.6,55.1) 33.6,55 34.9,55 ccw(c34.9,55.1) 35,55.1 35,55.5 cw(c35.2,55.5) 35.2,55.7 44.199,55.7 cw(c44.2,55.498) 44.401,55.499 44.477,39.722 ccw(c44.7,39.723) 44.7,39.5 54.7,39.5 cw(c54.7,39.3) 54.9,39.3 54.9,34.442 ccw(c55.488,34.443) 55.071,34.028 68.001,21.02 67.998,-2.2 85,-2.2 85,23.2 85,80 59.9,80
NetD2_2 on Top Layer "NETD2_2_L01_P028" (solid, pour order 28): 1.5,69.912 1.5,67.512 2,67.012 10.2,67.012 10.4,67.213 10.4,70.187 10.1,70.412 9.4,70.412 2,70.412
+24V on Top Layer "+24V_L01_P029" (solid, pour order 29): 2.5,55.5 2.5,59 5.5,59 5.5,62.6 7.9,65 11.847,65 ccw(c11.847,65.851) 12.449,65.249 14.359,67.159 ccw(c14.017,67.5) 14.5,67.5 14.5,77 cw(c15,77) 15,77.5 16.5,77.5 33.7,77.5 35.729,75.471 ccw(c35.9,75.641) 35.9,75.4 36.197,75.4 cw(c36.197,74.59) 36.68,75.24 40,72.777 40,71.2 36,71.2 36,73.2 34.6,74.6 32.9,76.3 22.8,76.3 ccw(c22.8,76.1) 22.6,76.1 22.6,75.741 cw(c21.776,75.741) 22.359,75.159 22.241,75.041 cw(c21.659,75.624) 21.659,74.8 17.8,74.8 ccw(c17.8,74.4) 17.4,74.4 17.4,67.783 cw(c16.235,67.783) 17.059,66.959 14.083,63.983 cw(c12.676,65.39) 12.676,63.4 8.5,63.4 6.5,61.4 6.5,58.5 5.3,57.3 4.7,57.3 4.7,55.3 4.3,54.9 3.1,54.9
+3V3 on Top Layer "+3V3_L01_P031" (solid, pour order 31): 48.1,60.3 48.1,56.9 50.4,56.9 51.5,58 59.2,58 59.9,58.7 61.7,58.7 62.3,59.3 62.3,62.2 61,63.5 60.5,63.5 60.5,65.8 59.2,67.1 59.2,72.3 59.3,72.4 59.3,74.1 58.2,74.1 58.2,71.7 58,71.5 58,67.2 56.9,66.1 56.9,63.4 58.1,62.2 59.6,62.2 59.9,61.9 59.9,59.7 59.5,59.3 51.5,59.3 50.5,60.3
NetD4_1 on Top Layer "NETD4_1_L01_P033" (solid, pour order 33): 19,70.4 19,73.2 23.1,73.2 25.7,75.8 32.7,75.8 32.7,72.6 25.6,72.6 23.4,70.4
PGND on Top Layer "PGND_L01_P035" (solid, pour order 35): 0.5,76.9 0.5,55.483 ccw(c1.666,55.483) 0.841,54.659 1.017,54.483 ccw(c2.183,55.649) 2.183,54 8.176,54 ccw(c8.176,55.99) 9.583,54.583 11.017,56.017 cw(c12.183,54.851) 12.183,56.5 30.3,56.5 cw(c30.3,56.3) 30.5,56.3 30.5,55.241 ccw(c31.083,55.241) 30.671,54.829 30.759,54.741 ccw(c31.341,55.324) 31.341,54.5 32.5,54.5 ccw(c32.5,54.7) 32.7,54.7 32.7,61.2 35,63.5 53.5,63.5 54,64 54,79.1 ccw(c53.6,79.1) 53.6,79.5 22.5,79.5 5.183,79.5 ccw(c5.183,77.852) 4.017,79.017 2.983,77.983 cw(c1.817,79.149) 1.817,77.5 1.1,77.5 ccw(c1.1,76.9)
+5V on Top Layer "Top Layer-No Net" (solid, pour order 27): 40.1,66.4 40.1,67.4 ccw(c39.9,67.4) 39.9,67.6 30.141,67.6 ccw(c30.141,66.776) 29.559,67.359 27.341,65.141 ccw(c27.924,64.559) 27.1,64.559 27.1,61.941 ccw(c27.924,61.941) 27.341,61.359 27.729,60.971 cw(c27.318,60.559) 27.9,60.559 27.9,57.8 ccw(c28.1,57.8) 28.1,57.6 29.576,57.6 ccw(c29.576,59.831) 31.154,58.254 31.546,58.646 cw(c32.641,57.552) 32.641,59.1 33.8,59.1 45.917,59.1 ccw(c45.917,60.749) 47.083,59.583 47.588,60.088 cw(c48.583,59.093) 48.583,60.5 55.759,60.5 ccw(c55.758,60.842) 56,60.6 56.029,60.629 ccw(c55.617,61.041) 56.2,61.041 56.2,67.359 cw(c57.266,67.359) 56.512,68.112 56.859,68.459 ccw(c56.276,69.041) 57.1,69.041 57.1,71.3 ccw(c56.9,71.3) 56.9,71.5 56.056,71.5 ccw(c56.056,70.991) 55.594,71.204 ccw(c56.523,70.776) 55.5,70.776 55.5,61.8 cw(c55.4,61.8) 55.4,61.7 48.441,61.7 ccw(c48.441,60.635) 47.688,61.388 47.412,61.112 cw(c46.659,61.865) 46.659,60.8 33.698,60.8 ccw(c33.697,55.622) 31.256,60.188 30.93,60.014 cw(c30.824,60.212) 30.6,60.212 30.6,61 cw(c31.35,60.75) 31.1,61.5 32.5,61.5 ccw(c32.5,61.7) 32.7,61.7 32.7,65.143 cw(c33.804,65.143) 33.023,65.923 33.059,65.959 cw(c33.641,65.376) 33.641,66.2 39.9,66.2 ccw(c39.9,66.4)
GND on Bottom Layer "GND_L02_P078" (solid, remove dead copper, pour order 78): 0,-2.2 85,-2.2 85,80 0,80
+3V3_ISO on Bottom Layer "+3V3_ISO_L02_P037" (solid, pour order 37): 50.329,17.995 51.162,17.162 51.229,17 51.229,16.495 55.062,12.662 55.129,12.5 55.129,4.295 55.495,3.929 56.205,3.929 56.871,4.595 56.871,9.6 56.938,9.762 58.338,11.162 58.5,11.229 62.905,11.229 63.071,11.395 63.071,12.005 63.005,12.071 60,12.071 59.838,12.138 59.505,12.471 56.5,12.471 56.338,12.538 51.538,17.338 51.471,17.5 51.471,20.5 51.5,20.6 51.538,20.662 54.138,23.262 55.938,23.262 56.171,23.495 56.171,24.729 56.114,24.786 54.7,24.786 52.907,22.993 50.895,22.971 50.329,22.405
GND_ISO on Bottom Layer "GND_ISO_L02_P038" (solid, pour order 38): 50.097,17.579 50.746,16.931 cw(c50.685,16.87) 50.771,16.869 50.771,16.4 50.838,16.238 54.775,12.302 cw(c54.474,12) 54.9,12 54.9,5.8 53.4,5.8 cw(c53.4,6.041) 53.229,5.871 53.071,6.029 cw(c53.241,6.2) 53,6.2 53,13.2 ccw(c52.9,13.2) 52.9,13.3 52.641,13.3 cw(c52.641,13.641) 52.4,13.4 52.2,13.6 51.9,13.9 51.4,14.4 51.3,14.5 49.871,15.929 cw(c50.041,16.1) 49.8,16.1 49.8,23.859 cw(c50.624,23.859) 50.041,24.441 53.059,27.459 ccw(c52.476,28.041) 53.3,28.041 53.3,31.8 cw(c53.4,31.8) 53.4,31.9 55.159,31.9 cw(c55.159,31.559) 55.4,31.8 63.981,23.219 cw(c60.314,19.552) 65.5,19.552 65.5,4.689 cw(c64.689,4.688) 65.16,4.028 63.017,2.498 cw(c61.865,4.11) 61.865,2.129 58,2.129 57.771,1.9 57.771,-0.429 cw(c57.7,-0.429) 57.7,-0.5 54.8,-0.5 cw(c54.8,-0.4) 54.7,-0.4 54.7,5.8 54.9,5.8 54.9,4.3 ccw(c55.525,4.3) 55.016,3.937 55.327,3.502 56.373,3.502 57.298,4.427 57.298,9.475 58.595,10.771 63,10.771 63.162,10.838 63.462,11.138 63.529,11.3 63.529,12.1 63.462,12.262 63.262,12.462 63.1,12.529 60.095,12.529 59.762,12.862 59.6,12.929 56.595,12.929 51.8,17.723 51.8,20.5 54.171,22.871 56.1,22.871 56.262,22.938 56.562,23.238 56.629,23.4 56.629,24.5 56.562,24.662 56.262,24.962 56.1,25.029 54.6,25.029 52.871,23.3 50.671,23.3 50.1,22.729 50.1,17.6 ccw(c50.129,17.586)
AGND on Bottom Layer "Top Layer-No Net" (solid, pour order 44): 36.8,41.5 36.4,41.1 34,41.1 33.3,41.8 33.3,43.6 34.3,44.6 35,44.6 35,44 35.9,43.1 36.8,43.1
AGND on Bottom Layer "Top Layer-No Net" (solid, pour order 42): 20.5,19.1 19.8,18.4 19.8,16.5 24.8,11.5 41.7,11.5 42.7,10.5 43.9,10.5 45.2,11.8 45.2,17.5 42.7,19.947 21.347,19.947
GND on Bottom Solder "Top Layer-No Net" (solid, pour order 72): 12,-2.2 85,-2.2 85,9.8 85,80 73,80 0,80 0,68 1.2,68 1.2,71 cw(c3.7,71) 3.7,73.5 ccw(c3.7,75.914) 5.407,74.207 5.9,74.7 ccw(c4.452,76.148) 6.5,76.148 6.5,77.5 cw(c7.85,77.45) 7.9,78.8 8,78.8 76,78.8 cw(c76,76.3) 78.5,76.3 ccw(c80.914,76.3) 79.207,74.593 79.7,74.1 ccw(c81.148,75.548) 81.148,73.5 82.5,73.5 cw(c82.45,72.05) 83.9,72 83.8,9.8 83.8,6.8 cw(c81.3,6.8) 81.3,4.3 ccw(c81.3,1.887) 79.593,3.593 79.1,3.1 ccw(c80.548,1.652) 78.5,1.652 78.5,0.3 cw(c77.1,0.4) 77,-1 12,-1 9,-1 cw(c9,1.5) 6.5,1.5 ccw(c4.087,1.5) 5.793,3.207 5.3,3.7 ccw(c3.852,2.253) 3.852,4.3 2.5,4.3 cw(c2.6,5.7) 1.2,5.8 1.2,68 0,68 0,-2.2

## Silkscreen, mask and mechanical layers (free items; w line width, h text height)
Top Overlay:
  text "+" at 3.2,71.8 h0.8
  text "4" at 8,42.6 h0.8
  text "3" at 7.9,38.6 h0.8
  text "2" at 7.9,34.8 h0.8
  text "1" at 7.9,31.1 h0.8
  text "4" at 8,17.8 h0.8
  text "3" at 8,13.9 h0.8
  text "2" at 8,10.1 h0.8
  text "1" at 8,6.2 h0.8

## Text inside footprints (layer, text, board x,y; h text height)
SW1: Top Overlay "1" at 77.182,51.232 h0.8 r90
U1: Top Overlay "1" at 45.402,39.585 h0.8 r90